# Altium PCB DIOT_Backplane.pcbdoc (part 2 of 11)
Units mm, origin at the board's own origin, x right, y up, seen from the top; angles counter-clockwise.
Board outline 304.8 x 128.5 mm, 14 copper layers (Top Layer, L2, L3GND, L4, L5GND, L6, L7GND, L8, L9GND, L10, L11GND, L12, L13GND, Bottom Layer), stack 4.06 mm thick; 141 components, 1224 nets, 5318 pads, 471 vias.
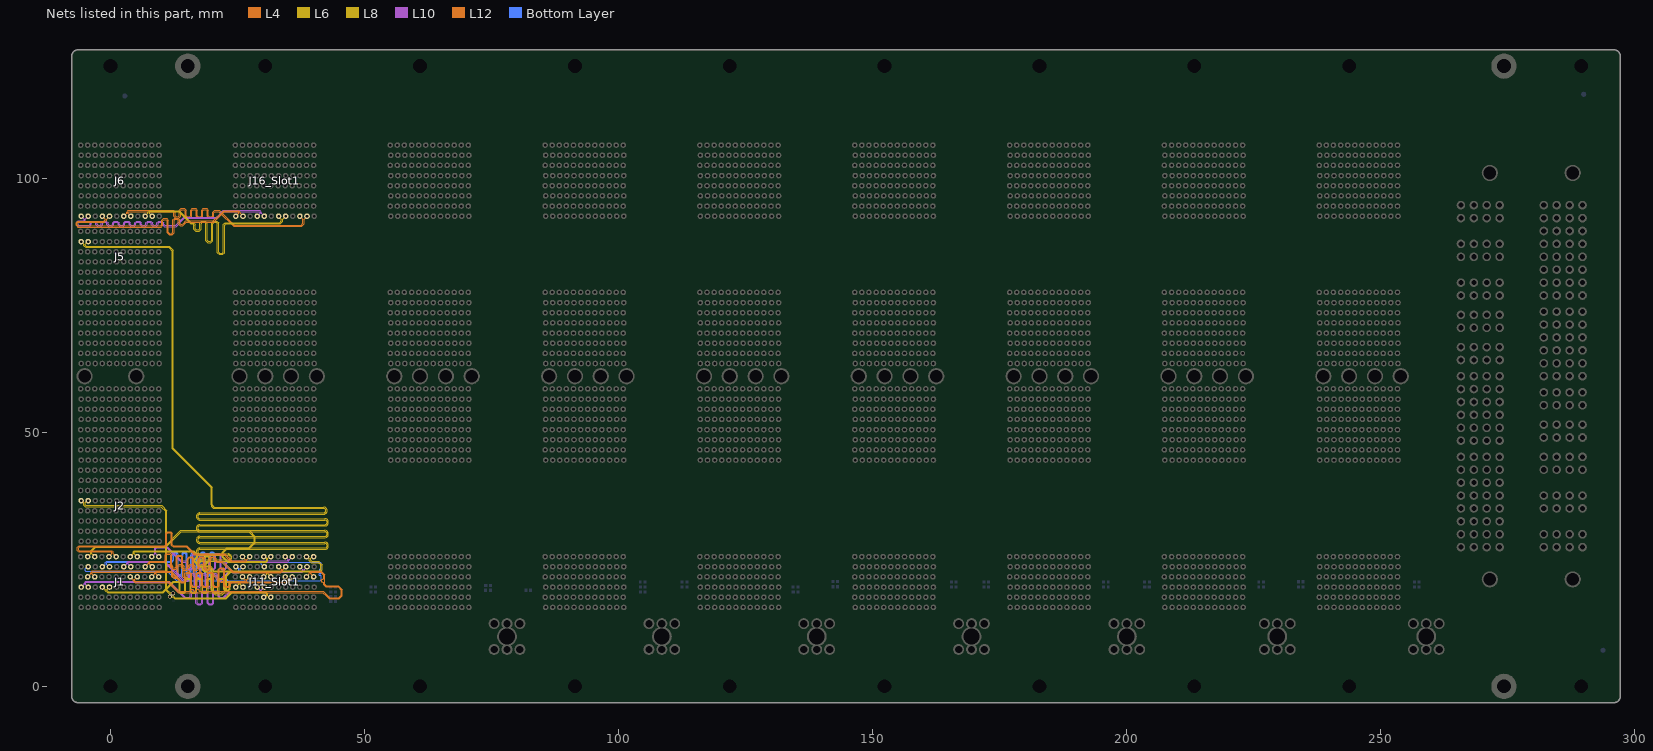
[diagram p14: the nets of this part, all layers, seen from the top]

## Classes and differential pairs (continued)
differential pair 1_DIFF_6: +1_DIFF_6_P -1_DIFF_6_N
differential pair 1_DIFF_5: +1_DIFF_5_P -1_DIFF_5_N
differential pair 1_DIFF_4: +1_DIFF_4_P -1_DIFF_4_N
differential pair 1_DIFF_3: +1_DIFF_3_P -1_DIFF_3_N
differential pair 1_DIFF_2: +1_DIFF_2_P -1_DIFF_2_N
differential pair 1_DIFF_1: +1_DIFF_1_P -1_DIFF_1_N
differential pair 1_DIFF_0: +1_DIFF_0_P -1_DIFF_0_N
differential pair 1_CLK: +1_CLK_P -1_CLK_N

## Components (designator, comment, footprint, x,y, rotation, side; value= is the part's Value field where it differs from the comment)
B1 "Non Plated Hole" MTG270_500_NPTH_8FCVIAS_BOTSM 15.24,0 r90 bottom
B2 "Non Plated Hole" MTG270_500_NPTH_8FCVIAS_BOTSM 15.24,122.1 r90 bottom
B3 "Non Plated Hole" MTG270_500_NPTH_8FCVIAS_BOTSM 274.32,0 r90 bottom
B4 "Non Plated Hole" MTG270_500_NPTH_8FCVIAS_BOTSM 274.32,122.1 r90 bottom
B5 "Non Plated Hole" MTG270 213.36,122.1 r90 top
B6 "Non Plated Hole" MTG270 243.84,122.1 r90 top
B7 "Non Plated Hole" MTG270 289.56,122.1 r90 top
B8 "Non Plated Hole" MTG270 91.44,0 r90 top
B9 "Non Plated Hole" MTG270 91.44,122.1 r90 top
B10 "Non Plated Hole" MTG270 121.92,122.1 r90 top
B11 "Non Plated Hole" MTG270 152.4,122.1 r90 top
B12 "Non Plated Hole" MTG270 182.88,122.1 r90 top
B13 "Non Plated Hole" MTG270 60.96,122.1 r90 top
B14 "Non Plated Hole" MTG270 0,0 r90 top
B15 "Non Plated Hole" MTG270 30.48,0 r90 top
B16 "Non Plated Hole" MTG270 60.96,0 r90 top
B17 "Non Plated Hole" MTG270 0,122.1 r90 top
B18 "Non Plated Hole" MTG270 289.56,0 r90 top
B19 "Non Plated Hole" MTG270 121.92,0 r90 top
B20 "Non Plated Hole" MTG270 30.48,122.1 r90 top
B21 "Non Plated Hole" MTG270 152.4,0 r90 top
B22 "Non Plated Hole" MTG270 182.88,0 r90 top
B23 "Non Plated Hole" MTG270 213.36,0 r90 top
B24 "Non Plated Hole" MTG270 243.84,0 r90 top
BUSH1 "M3" WURTH_7461057 229.703,9.8 r180 bottom
BUSH2 "M3" WURTH_7461057 169.51,9.8 r180 bottom
BUSH3 "M3" WURTH_7461057 259.024,9.8 r180 bottom
BUSH4 "M3" WURTH_7461057 200.087,9.8 r180 bottom
BUSH5 "M3" WURTH_7461057 78.07,9.8 r180 bottom
BUSH6 "M3" WURTH_7461057 108.55,9.8 r180 bottom
BUSH7 "M3" WURTH_7461057 139.03,9.8 r180 bottom
C1 "10nF" CAPC1005X55N 43.835,16.673 r180 bottom
C2 "10nF" CAPC1005X55N 43.835,17.639 r180 bottom
C3 "10nF" CAPC1005X55N 43.835,18.604 r180 bottom
C4 "10nF" CAPC1005X55N 142.672,19.62 r180 bottom
C5 "10nF" CAPC1005X55N 142.666,20.623 r180 bottom
C6 "10nF" CAPC1005X55N 172.422,20.547 r180 bottom
C7 "10nF" CAPC1005X55N 51.734,18.578 r0 bottom
C8 "10nF" CAPC1005X55N 74.34,19.874 r180 bottom
C9 "10nF" CAPC1005X55N 82.24,18.909 r0 bottom
C10 "10nF" CAPC1005X55N 204.052,19.527 r180 bottom
C11 "10nF" CAPC1005X55N 104.77,18.553 r180 bottom
C12 "10nF" CAPC1005X55N 134.869,18.578 r180 bottom
FTG1 "Use only in PCB" FIDUCIAL_TOP_C100-200 290.02,116.55 r90 bottom
FTG2 "Use only in PCB" FIDUCIAL_TOP_C100-200 293.82,7.1 r90 bottom
FTG3 "Use only in PCB" FIDUCIAL_TOP_C100-200 2.839,116.219 r90 bottom
GUIDE1 "CPCI-S Guide" EDA-04126-V1-0 35.56,61.05 r180 bottom
GUIDE2 "CPCI-S Guide" EDA-04126-V1-0 66.04,61.05 r180 bottom
GUIDE3 "CPCI-S Guide" EDA-04126-V1-0 96.52,61.05 r180 bottom
GUIDE4 "CPCI-S Guide" EDA-04126-V1-0 127,61.05 r180 bottom
GUIDE5 "CPCI-S Guide" EDA-04126-V1-0 157.48,61.05 r180 bottom
GUIDE6 "CPCI-S Guide" EDA-04126-V1-0 187.96,61.05 r180 bottom
GUIDE7 "CPCI-S Guide" EDA-04126-V1-0 218.44,61.05 r180 bottom
GUIDE8 "CPCI-S Guide" EDA-04126-V1-0 248.92,61.05 r180 bottom
GUIDE9 "CPCI-S Guide" EDA-04126-V1-0 0,61.05 r0 top
GUIDE10 "CPCI-S Guide" EDA-04126-V1-0 30.48,61.05 r0 top
GUIDE11 "CPCI-S Guide" EDA-04126-V1-0 60.96,61.05 r0 top
GUIDE12 "CPCI-S Guide" EDA-04126-V1-0 91.44,61.05 r0 top
GUIDE13 "CPCI-S Guide" EDA-04126-V1-0 121.94,61.05 r0 top
GUIDE14 "CPCI-S Guide" EDA-04126-V1-0 152.4,61.05 r0 top
GUIDE15 "CPCI-S Guide" EDA-04126-V1-0 182.88,61.05 r0 top
GUIDE16 "CPCI-S Guide" EDA-04126-V1-0 213.36,61.05 r0 top
GUIDE17 "CPCI-S Guide" EDA-04126-V1-0 243.84,61.05 r0 top
J1 "AirMax VS" AMPHENOL_10052829-101LF 1.87,20.55 r270 top
J2 "AirMax VS" AMPHENOL_10052842-101LF#1 1.87,35.55 r270 top
J3 "AirMax VS" AMPHENOL_10052842-101LF#1 1.87,51.55 r270 top
J4 "AirMax VS" AMPHENOL_10052842-101LF#1 1.87,70.55 r270 top
J5 "AirMax VS" AMPHENOL_10052829-101LF 1.87,84.55 r270 top
J6 "AirMax VS" AMPHENOL_10052842-101LF#1 1.87,99.55 r270 top
J7 "PwrBlade" AMPHENOL_51940-650 282.16,94.72 r180 bottom locked
J8 "PwrBlade" AMPHENOL_51940-650 265.85,27.4 r180 top locked
J11_Slot1 "AirMax VS" AMPHENOL_10052829-101LF 32.35,20.55 r270 top (schematic designator J11)
J11_Slot2 "AirMax VS" AMPHENOL_10052829-101LF 62.83,20.55 r270 top (schematic designator J11)
J11_Slot3 "AirMax VS" AMPHENOL_10052829-101LF 93.31,20.55 r270 top (schematic designator J11)
J11_Slot4 "AirMax VS" AMPHENOL_10052829-101LF 123.79,20.55 r270 top (schematic designator J11)
J11_Slot5 "AirMax VS" AMPHENOL_10052829-101LF 154.27,20.55 r270 top (schematic designator J11)
J11_Slot6 "AirMax VS" AMPHENOL_10052829-101LF 184.75,20.55 r270 top (schematic designator J11)
J11_Slot7 "AirMax VS" AMPHENOL_10052829-101LF 215.23,20.55 r270 top (schematic designator J11)
J11_Slot8 "AirMax VS" AMPHENOL_10052829-101LF 245.71,20.55 r270 top (schematic designator J11)
J13_Slot1 "AirMax VS" AMPHENOL_10052842-101LF#1 32.35,51.55 r270 top locked (schematic designator J13)
J13_Slot2 "AirMax VS" AMPHENOL_10052842-101LF#1 62.83,51.55 r270 top locked (schematic designator J13)
J13_Slot3 "AirMax VS" AMPHENOL_10052842-101LF#1 93.31,51.55 r270 top locked (schematic designator J13)
J13_Slot4 "AirMax VS" AMPHENOL_10052842-101LF#1 123.79,51.55 r270 top locked (schematic designator J13)
J13_Slot5 "AirMax VS" AMPHENOL_10052842-101LF#1 154.27,51.55 r270 top locked (schematic designator J13)
J13_Slot6 "AirMax VS" AMPHENOL_10052842-101LF#1 184.75,51.55 r270 top locked (schematic designator J13)
J13_Slot7 "AirMax VS" AMPHENOL_10052842-101LF#1 215.23,51.55 r270 top locked (schematic designator J13)
J13_Slot8 "AirMax VS" AMPHENOL_10052842-101LF#1 245.71,51.55 r270 top locked (schematic designator J13)
J14_Slot1 "AirMax VS" AMPHENOL_10052842-101LF#1 32.35,70.55 r270 top (schematic designator J14)
J14_Slot2 "AirMax VS" AMPHENOL_10052842-101LF#1 62.83,70.55 r270 top (schematic designator J14)
J14_Slot3 "AirMax VS" AMPHENOL_10052842-101LF#1 93.31,70.55 r270 top (schematic designator J14)
J14_Slot4 "AirMax VS" AMPHENOL_10052842-101LF#1 123.79,70.55 r270 top (schematic designator J14)
J14_Slot5 "AirMax VS" AMPHENOL_10052842-101LF#1 154.27,70.55 r270 top (schematic designator J14)
J14_Slot6 "AirMax VS" AMPHENOL_10052842-101LF#1 184.75,70.55 r270 top (schematic designator J14)
J14_Slot7 "AirMax VS" AMPHENOL_10052842-101LF#2 215.23,70.55 r270 top (schematic designator J14)
J14_Slot8 "AirMax VS" AMPHENOL_10052842-101LF#1 245.71,70.55 r270 top (schematic designator J14)
J16_Slot1 "AirMax VS" AMPHENOL_10052842-101LF#1 32.35,99.55 r270 top (schematic designator J16)
J16_Slot2 "AirMax VS" AMPHENOL_10052842-101LF#1 62.83,99.55 r270 top (schematic designator J16)
J16_Slot3 "AirMax VS" AMPHENOL_10052842-101LF#1 93.31,99.55 r270 top (schematic designator J16)
J16_Slot4 "AirMax VS" AMPHENOL_10052842-101LF#1 123.79,99.55 r270 top (schematic designator J16)
J16_Slot5 "AirMax VS" AMPHENOL_10052842-101LF#1 154.27,99.55 r270 top (schematic designator J16)
J16_Slot6 "AirMax VS" AMPHENOL_10052842-101LF#1 184.75,99.55 r270 top (schematic designator J16)
J16_Slot7 "AirMax VS" AMPHENOL_10052842-101LF#1 215.23,99.55 r270 top (schematic designator J16)
J16_Slot8 "AirMax VS" AMPHENOL_10052842-101LF#1 245.71,99.55 r270 top (schematic designator J16)
J23_Slot1 "AirMax VS" AMPHENOL_10114760-101LF#1 32.35,51.55 r90 bottom locked (schematic designator J23)
J23_Slot2 "AirMax VS" AMPHENOL_10114760-101LF#1 62.83,51.55 r90 bottom locked (schematic designator J23)
J23_Slot3 "AirMax VS" AMPHENOL_10114760-101LF#1 93.31,51.55 r90 bottom locked (schematic designator J23)
J23_Slot4 "AirMax VS" AMPHENOL_10114760-101LF#1 123.79,51.55 r90 bottom locked (schematic designator J23)
J23_Slot5 "AirMax VS" AMPHENOL_10114760-101LF#1 154.27,51.55 r90 bottom locked (schematic designator J23)
J23_Slot6 "AirMax VS" AMPHENOL_10114760-101LF#1 184.75,51.55 r90 bottom locked (schematic designator J23)
J23_Slot7 "AirMax VS" AMPHENOL_10114760-101LF#1 215.23,51.55 r90 bottom locked (schematic designator J23)
J23_Slot8 "AirMax VS" AMPHENOL_10114760-101LF#2 245.71,51.55 r90 bottom locked (schematic designator J23)
J24_Slot1 "AirMax VS" AMPHENOL_10114760-101LF#1 32.35,70.55 r90 bottom (schematic designator J24)
J24_Slot2 "AirMax VS" AMPHENOL_10114760-101LF#1 62.83,70.55 r90 bottom (schematic designator J24)
J24_Slot3 "AirMax VS" AMPHENOL_10114760-101LF#1 93.31,70.55 r90 bottom (schematic designator J24)
J24_Slot4 "AirMax VS" AMPHENOL_10114760-101LF#1 123.79,70.55 r90 bottom (schematic designator J24)
J24_Slot5 "AirMax VS" AMPHENOL_10114760-101LF#1 154.27,70.55 r90 bottom (schematic designator J24)
J24_Slot6 "AirMax VS" AMPHENOL_10114760-101LF#1 184.75,70.55 r90 bottom locked (schematic designator J24)
J24_Slot7 "AirMax VS" AMPHENOL_10114760-101LF#1 215.23,70.55 r90 bottom (schematic designator J24)
J24_Slot8 "AirMax VS" AMPHENOL_10114760-101LF#2 245.71,70.55 r90 bottom locked (schematic designator J24)
NT1 "Net Tie" "Net Tie" 12.58,16.8 r180 bottom net-tie
NT2 "Net Tie" "Net Tie" 12.618,15.584 r180 bottom net-tie
R1 "1k" RESC1005X40N 43.81,19.572 r180 bottom
R2 "1k" RESC1005X40N 51.734,19.569 r0 bottom
R3 "1k" RESC1005X40N 74.34,18.909 r180 bottom
R4 "1k" RESC1005X40N 104.77,20.534 r180 bottom
R5 "1k" RESC1005X40N 104.782,19.544 r180 bottom
R6 "1k" RESC1005X40N 113.012,20.534 r0 bottom
R7 "1k" RESC1005X40N 113.012,19.544 r0 bottom
R8 "1k" RESC1005X40N 134.869,19.544 r180 bottom
R9 "1k" RESC1005X40N 165.996,20.547 r0 bottom
R10 "1k" RESC1005X40N 165.996,19.544 r0 bottom
R11 "1k" RESC1005X40N 172.423,19.527 r180 bottom
R12 "1k" RESC1005X40N 195.956,20.509 r0 bottom
R13 "1k" RESC1005X40N 195.955,19.535 r0 bottom
R14 "1k" RESC1005X40N 204.058,20.534 r180 bottom
R15 "1k" RESC1005X40N 226.524,20.534 r0 bottom
R16 "1k" RESC1005X40N 226.524,19.547 r0 bottom
R17 "1k" RESC1005X40N 234.31,19.556 r180 bottom
R18 "1k" RESC1005X40N 234.31,20.585 r180 bottom
R19 "1k" RESC1005X40N 257.144,20.56 r0 bottom
R20 "1k" RESC1005X40N 257.143,19.573 r0 bottom

## Footprints (in the part's own frame and the unit in brackets; to place one, negate y for a bottom-side part, rotate by r counter-clockwise, add the part's x,y. Pads: shape width x height; smd on the part's side, far side on the other; paste and mask are expansions set on the pad)
AMPHENOL_51940-650 [mm] "Vertical PowerBlade Power Connector 3ACP + 2P + 24S + 4DCP Contacts"
  round 1.7 hole 1: A1(-7.62,-33.66) A2(-7.62,-31.12) A3(-7.62,-28.58) A4(-7.62,-26.04) A5(-7.62,-23.5) A6(-7.62,-20.96) B1(-5.08,-33.66) B2(-5.08,-31.12) B3(-5.08,-28.58) B4(-5.08,-26.04) B5(-5.08,-23.5) B6(-5.08,-20.96) C1(-2.54,-33.66) C2(-2.54,-31.12) C3(-2.54,-28.58) C4(-2.54,-26.04) C5(-2.54,-23.5) C6(-2.54,-20.96) D1(0,-33.66) D2(0,-31.12) D3(0,-28.58) D4(0,-26.04) D5(0,-23.5) D6(0,-20.96) P1(-7.62,-67.32) P1(-7.62,-64.78) P1(-5.08,-67.32) P1(-5.08,-64.78) P1(-2.54,-67.32) P1(-2.54,-64.78) P1(0,-67.32) P1(0,-64.78) P2(-7.62,-59.7) P2(-7.62,-57.16) P2(-5.08,-59.7) P2(-5.08,-57.16) P2(-2.54,-59.7) P2(-2.54,-57.16) P2(0,-59.7) P2(0,-57.16) P3(-7.62,-52.08) P3(-7.62,-49.54) P3(-5.08,-52.08) P3(-5.08,-49.54) P3(-2.54,-52.08) P3(-2.54,-49.54) P3(0,-52.08) P3(0,-49.54) P4(-7.62,-45.73) P4(-7.62,-43.19) P4(-5.08,-45.73) P4(-5.08,-43.19) P4(-2.54,-45.73) P4(-2.54,-43.19) P4(0,-45.73) P4(0,-43.19) P5(-7.62,-39.38) P5(-7.62,-36.84) P5(-5.08,-39.38) P5(-5.08,-36.84) P5(-2.54,-39.38) P5(-2.54,-36.84) P5(0,-39.38) P5(0,-36.84) P6(-7.62,-17.78) P6(-7.62,-15.24) P6(-5.08,-17.78) P6(-5.08,-15.24) P6(-2.54,-17.78) P6(-2.54,-15.24) P6(0,-17.78) P6(0,-15.24) P7(-7.62,-12.7) P7(-7.62,-10.16) P7(-5.08,-12.7) P7(-5.08,-10.16) P7(-2.54,-12.7) P7(-2.54,-10.16) P7(0,-12.7) P7(0,-10.16) P8(-7.62,-7.62) P8(-7.62,-5.08) P8(-5.08,-7.62) P8(-5.08,-5.08) P8(-2.54,-7.62) P8(-2.54,-5.08) P8(0,-7.62) P8(0,-5.08) P9(-7.62,-2.54) P9(-7.62,0) P9(-5.08,-2.54) P9(-5.08,0) P9(-2.54,-2.54) P9(-2.54,0) P9(0,-2.54) P9(0,0)
  round 3.2 hole 2.5 unplated: MTG1(-5.69,6.345) MTG2(-5.69,-73.665)
  silkscreen extent -8.99,-77.48 2.95,10.15, body extent -8.99,-77.48 2.95,10.16, height 17.02
AMPHENOL_10052829-101LF [mm] "72 Contacts, 2mm Pitch, 6 Columns, 4 Pairs per Column, Vertical Receptacle"
  round 1.1 hole 0.5: A1(5,-7.65) A2(3,-7.75) A3(1,-7.65) A4(-1,-7.75) A5(-3,-7.65) A6(-5,-7.75) B1(5,-6.25) B2(3,-6.35) B3(1,-6.25) B4(-1,-6.35) B5(-3,-6.25) B6(-5,-6.35) C1(5,-4.85) C2(3,-4.95) C3(1,-4.85) C4(-1,-4.95) C5(-3,-4.85) C6(-5,-4.95) D1(5,-3.45) D2(3,-3.55) D3(1,-3.45) D4(-1,-3.55) D5(-3,-3.45) D6(-5,-3.55) E1(5,-2.05) E2(3,-2.15) E3(1,-2.05) E4(-1,-2.15) E5(-3,-2.05) E6(-5,-2.15) F1(5,-0.65) F2(3,-0.75) F3(1,-0.65) F4(-1,-0.75) F5(-3,-0.65) F6(-5,-0.75) G1(5,0.75) G2(3,0.65) G3(1,0.75) G4(-1,0.65) G5(-3,0.75) G6(-5,0.65) H1(5,2.15) H2(3,2.05) H3(1,2.15) H4(-1,2.05) H5(-3,2.15) H6(-5,2.05) I1(5,3.55) I2(3,3.45) I3(1,3.55) I4(-1,3.45) I5(-3,3.55) I6(-5,3.45) J1(5,4.95) J2(3,4.85) J3(1,4.95) J4(-1,4.85) J5(-3,4.95) J6(-5,4.85) K1(5,6.35) K2(3,6.25) K3(1,6.35) K4(-1,6.25) K5(-3,6.35) K6(-5,6.25) L1(5,7.75) L2(3,7.65) L3(1,7.75) L4(-1,7.65) L5(-3,7.75) L6(-5,7.65)
  silkscreen extent -5.95,-9.45 5.95,9.45, body extent -5.95,-9.45 5.95,9.45, height 10.7
AMPHENOL_10052842-101LF#1 [mm] "96 Contacts, 2mm Pitch, 8 Columns, 4 Pairs per Column, Vertical Receptacle"
  round 1.1 hole 0.5: A1(7,-7.65) A2(5,-7.75) A3(3,-7.65) A4(1,-7.75) A5(-1,-7.65) A6(-3,-7.75) A7(-5,-7.65) A8(-7,-7.75) B1(7,-6.25) B2(5,-6.35) B3(3,-6.25) B4(1,-6.35) B5(-1,-6.25) B6(-3,-6.35) B7(-5,-6.25) B8(-7,-6.35) C1(7,-4.85) C2(5,-4.95) C3(3,-4.85) C4(1,-4.95) C5(-1,-4.85) C6(-3,-4.95) C7(-5,-4.85) C8(-7,-4.95) D1(7,-3.45) D2(5,-3.55) D3(3,-3.45) D4(1,-3.55) D5(-1,-3.45) D6(-3,-3.55) D7(-5,-3.45) D8(-7,-3.55) E1(7,-2.05) E2(5,-2.15) E3(3,-2.05) E4(1,-2.15) E5(-1,-2.05) E6(-3,-2.15) E7(-5,-2.05) E8(-7,-2.15) F1(7,-0.65) F2(5,-0.75) F3(3,-0.65) F4(1,-0.75) F5(-1,-0.65) F6(-3,-0.75) F7(-5,-0.65) F8(-7,-0.75) G1(7,0.75) G2(5,0.65) G3(3,0.75) G4(1,0.65) G5(-1,0.75) G6(-3,0.65) G7(-5,0.75) G8(-7,0.65) H1(7,2.15) H2(5,2.05) H3(3,2.15) H4(1,2.05) H5(-1,2.15) H6(-3,2.05) H7(-5,2.15) H8(-7,2.05) I1(7,3.55) I2(5,3.45) I3(3,3.55) I4(1,3.45) I5(-1,3.55) I6(-3,3.45) I7(-5,3.55) I8(-7,3.45) J1(7,4.95) J2(5,4.85) J3(3,4.95) J4(1,4.85) J5(-1,4.95) J6(-3,4.85) J7(-5,4.95) J8(-7,4.85) K1(7,6.35) K2(5,6.25) K3(3,6.35) K4(1,6.25) K5(-1,6.35) K6(-3,6.25) K7(-5,6.35) K8(-7,6.25) L1(7,7.75) L2(5,7.65) L3(3,7.75) L4(1,7.65) L5(-1,7.75) L6(-3,7.65) L7(-5,7.75) L8(-7,7.65)
  silkscreen extent -7.95,-9.45 7.95,9.45, body extent -7.95,-9.45 7.95,9.45, height 10.7
AMPHENOL_10052842-101LF#2 [mm] "96 Contacts, 2mm Pitch, 8 Columns, 4 Pairs per Column, Vertical Receptacle"
  round 1.1 hole 0.5: A1(7,-7.65) A2(5,-7.75) A3(3,-7.65) A4(1,-7.75) A5(-1,-7.65) A6(-3,-7.75) A7(-5,-7.65) A8(-7,-7.75) B1(7,-6.25) B2(5,-6.35) B3(3,-6.25) B4(1,-6.35) B5(-1,-6.25) B6(-3,-6.35) B7(-5,-6.25) B8(-7,-6.35) C1(7,-4.85) C2(5,-4.95) C3(3,-4.85) C4(1,-4.95) C5(-1,-4.85) C6(-3,-4.95) C7(-5,-4.85) C8(-7,-4.95) D1(7,-3.45) D2(5,-3.55) D3(3,-3.45) D4(1,-3.55) D5(-1,-3.45) D6(-3,-3.55) D7(-5,-3.45) D8(-7,-3.55) E1(7,-2.05) E2(5,-2.15) E3(3,-2.05) E4(1,-2.15) E5(-1,-2.05) E6(-3,-2.15) E7(-5,-2.05) E8(-7,-2.15) F1(7,-0.65) F2(5,-0.75) F3(3,-0.65) F4(1,-0.75) F5(-1,-0.65) F6(-3,-0.75) F7(-5,-0.65) F8(-7,-0.75) G1(7,0.75) G2(5,0.65) G3(3,0.75) G4(1,0.65) G5(-1,0.75) G6(-3,0.65) G7(-5,0.75) G8(-7,0.65) H1(7,2.15) H2(5,2.05) H3(3,2.15) H4(1,2.05) H5(-1,2.15) H6(-3,2.05) H7(-5,2.15) H8(-7,2.05) I1(7,3.55) I2(5,3.45) I3(3,3.55) I4(1,3.45) I5(-1,3.55) I6(-3,3.45) I7(-5,3.55) I8(-7,3.45) J1(7,4.95) J2(5,4.85) J3(3,4.95) J4(1,4.85) J5(-1,4.95) J6(-3,4.85) J7(-5,4.95) J8(-7,4.85) K1(7,6.35) K2(5,6.25) K3(3,6.35) K4(1,6.25) K5(-1,6.35) K6(-3,6.25) K7(-5,6.35) K8(-7,6.25) L1(7,7.75) L3(3,7.75) L4(1,7.65) L5(-1,7.75) L6(-3,7.65) L7(-5,7.75) L8(-7,7.65)
  round 1 hole 0.5: L2(5,7.65)
  silkscreen extent -7.95,-9.45 7.95,9.45, body extent -7.95,-9.45 7.95,9.45, height 10.7
AMPHENOL_10114760-101LF#1 [mm] "96 Contacts, 2mm Pitch, 8 Columns, 4 Pairs per Column, 2 Walls Vertical Header"
  round 0.3 smd: A1(-7,-7.65) A2(-5,-7.75) A3(-3,-7.65) A4(-1,-7.75) A5(1,-7.65) A6(3,-7.75) A7(5,-7.65) A8(7,-7.75) B1(-7,-6.25) B2(-5,-6.35) B3(-3,-6.25) B4(-1,-6.35) B5(1,-6.25) B6(3,-6.35) B7(5,-6.25) B8(7,-6.35) C1(-7,-4.85) C2(-5,-4.95) C3(-3,-4.85) C4(-1,-4.95) C5(1,-4.85) C6(3,-4.95) C7(5,-4.85) C8(7,-4.95) D1(-7,-3.45) D2(-5,-3.55) D3(-3,-3.45) D4(-1,-3.55) D5(1,-3.45) D6(3,-3.55) D7(5,-3.45) D8(7,-3.55) E1(-7,-2.05) E2(-5,-2.15) E3(-3,-2.05) E4(-1,-2.15) E5(1,-2.05) E6(3,-2.15) E7(5,-2.05) E8(7,-2.15) F1(-7,-0.65) F2(-5,-0.75) F3(-3,-0.65) F4(-1,-0.75) F5(1,-0.65) F6(3,-0.75) F7(5,-0.65) F8(7,-0.75) G1(-7,0.75) G2(-5,0.65) G3(-3,0.75) G4(-1,0.65) G5(1,0.75) G6(3,0.65) G7(5,0.75) G8(7,0.65) H1(-7,2.15) H2(-5,2.05) H3(-3,2.15) H4(-1,2.05) H5(1,2.15) H6(3,2.05) H7(5,2.15) H8(7,2.05) I1(-7,3.55) I2(-5,3.45) I3(-3,3.55) I4(-1,3.45) I5(1,3.55) I6(3,3.45) I7(5,3.55) I8(7,3.45) J1(-7,4.95) J2(-5,4.85) J3(-3,4.95) J4(-1,4.85) J5(1,4.95) J6(3,4.85) J7(5,4.95) J8(7,4.85) K1(-7,6.35) K2(-5,6.25) K3(-3,6.35) K4(-1,6.25) K5(1,6.35) K6(3,6.25) K7(5,6.35) K8(7,6.25) L1(-7,7.75) L2(-5,7.65) L3(-3,7.75) L4(-1,7.65) L5(1,7.75) L6(3,7.65) L7(5,7.75) L8(7,7.65)
  silkscreen extent -7.95,-10.07 7.95,10.07, body extent -7.95,-10.07 7.95,10.08, height 12.45
AMPHENOL_10114760-101LF#2 [mm] "96 Contacts, 2mm Pitch, 8 Columns, 4 Pairs per Column, 2 Walls Vertical Header"
  round 1.1 hole 0.5: A1(-7,-7.65) A2(-5,-7.75) A3(-3,-7.65) A4(-1,-7.75) A5(1,-7.65) A6(3,-7.75) A7(5,-7.65) A8(7,-7.75) B1(-7,-6.25) B2(-5,-6.35) B3(-3,-6.25) B4(-1,-6.35) B5(1,-6.25) B6(3,-6.35) B7(5,-6.25) B8(7,-6.35) C1(-7,-4.85) C2(-5,-4.95) C3(-3,-4.85) C4(-1,-4.95) C5(1,-4.85) C6(3,-4.95) C7(5,-4.85) C8(7,-4.95) D1(-7,-3.45) D2(-5,-3.55) D3(-3,-3.45) D4(-1,-3.55) D5(1,-3.45) D6(3,-3.55) D7(5,-3.45) D8(7,-3.55) E1(-7,-2.05) E2(-5,-2.15) E3(-3,-2.05) E4(-1,-2.15) E5(1,-2.05) E6(3,-2.15) E7(5,-2.05) E8(7,-2.15) F1(-7,-0.65) F2(-5,-0.75) F3(-3,-0.65) F4(-1,-0.75) F5(1,-0.65) F6(3,-0.75) F7(5,-0.65) F8(7,-0.75) G1(-7,0.75) G2(-5,0.65) G3(-3,0.75) G4(-1,0.65) G5(1,0.75) G6(3,0.65) G7(5,0.75) G8(7,0.65) H1(-7,2.15) H2(-5,2.05) H3(-3,2.15) H4(-1,2.05) H5(1,2.15) H6(3,2.05) H7(5,2.15) H8(7,2.05) I1(-7,3.55) I2(-5,3.45) I3(-3,3.55) I4(-1,3.45) I5(1,3.55) I6(3,3.45) I7(5,3.55) I8(7,3.45) J1(-7,4.95) J2(-5,4.85) J3(-3,4.95) J4(-1,4.85) J5(1,4.95) J6(3,4.85) J7(5,4.95) J8(7,4.85) K1(-7,6.35) K2(-5,6.25) K3(-3,6.35) K4(-1,6.25) K5(1,6.35) K6(3,6.25) K7(5,6.35) K8(7,6.25) L1(-7,7.75) L2(-5,7.65) L3(-3,7.75) L4(-1,7.65) L5(1,7.75) L6(3,7.65) L7(5,7.75) L8(7,7.65)
  silkscreen extent -7.95,-10.07 7.95,10.07, body extent -7.95,-10.07 7.95,10.08, height 12.45
CAPC1005X55N [mm] "Capacitor, Non-Polarized, Chip; 1.00mm L X 0.50mm W X 0.70mm H, IPC Medium Density"
  rect 0.62x0.62 smd: 1(-0.45,0) 2(0.45,0)
  body extent -0.52,-0.27 0.53,0.28, height 0.55
EDA-04126-V1-0 [mm] "PICMG CompactPCI Serial Backplane Guide Element"
  round 3.2 hole 2.5: 1(-5.08,0) 2(5.08,0)
  silkscreen extent -7.46,-1 12.54,1, body extent -7.46,-1 12.54,1, height 25
FIDUCIAL_TOP_C100-200 [mm] "Round Fiducial Target, Top Layer, 1.0mm, Top Solder 2.0mm, Keepout =2.0mm"
  round 1 smd paste-0.51 mask+0.5: FTG2(0,0)
  Top Layer keep-out circle w0.1: c0,0 r1
MTG270 [mm] "Non Plated Through Hole: Hole Dia.=2.7mm"
  round 0.5 hole 2.7 unplated mask+1.1: 1(0,0)
MTG270_500_NPTH_8FCVIAS_BOTSM [mm] "Unplated Through Hole: Hole Dia.=2.7mm Pad Dia.=5.0mm with 8 vias filled and capped and soldermask on Bottom."
  round 5 hole 2.7 mask-2539.97: 1(0,0)
"Net Tie" [mil] "SMD Net Tie"
  rect 5x5 smd paste-2.5 mask-2.5: 1(0,0) 2(10,0)
  Top Layer lines w5: 10,0 0,0
RESC1005X40N [mm] "Chip Resistor, EIA 0402, Metric 1005, Body 1.0x0.5mm, IPC Medium Density"
  rect 0.58x0.62 smd: 1(-0.47,0) 2(0.47,0)
  body extent -0.52,-0.27 0.53,0.28, height 0.4
WURTH_7461057 [mm] "7x7x6mm REDCUBE Press-Fit with Internsl Threaded Hole M3,Two Rows Pin-Plate WP-BUTR"
  round 2.15 hole 1.45: 1(-2.54,-2.54) 1(-2.54,2.54) 1(0,-2.54) 1(0,2.54) 1(2.54,-2.54) 1(2.54,2.54)
  round 3.9 hole 3.1: 1(0,0)
  silkscreen extent -3.5,-3.5 3.5,3.5, body extent -3.5,-3.5 3.5,3.5, height 6.1

## Part data
B1 B2 B3 B4: library part NON-PLATED_HOLE2.7_PAD5.0_8FCVIAS_BOTSM, "Single Terminal Socket", Author="CERN DEM WB", Component Type="Standard (No BOM)", ComponentHeight=0mm, CreateDate=18/04/2024, Family="Non Plated Hole", HelpURL=Undefined, LatestRevisionDate=18/04/2024, Mounted=No, PackageDescription="Unplated Through Hole: Hole Dia.=2.7mm Pad Dia.=5.0mm with 8 vias filled and capped and soldermask on Bottom.", Part Description="Plated Through Hole: Hole Dia.=2.7mm Pad Dia.=5.0mmUnplated Through Hole: Hole Dia.=2.7mm Pad Dia.=5.0mm with 8 vias filled and capped and soldermask on Bottom.", Part Number=NON-PLATED_HOLE2.7_PAD5.0_8FCVIAS_BOTSM, Pin Count=1, Sense=No, SMD=No, Socket=No, Status=None
B5 B6 B7 B8 B9 B10 B11 B12 B13 B14 B15 B16 B17 B18 B19 B20 B21 B22 B23 B24: library part NON-PLATED_HOLE2.7, "Single Terminal Socket", Author="CERN DEM BC", Component Type="Standard (No BOM)", ComponentHeight=0mm, CreateDate=11.11.2015, Family="Non Plated Hole", HelpURL=Undefined, LatestRevisionDate=11.11.2015, Mounted=No, PackageDescription="Non Plated Through Hole: Hole Dia.=2.7mm", Part Description="Non Plated Through Hole: Hole Dia.=2.7mm", Part Number=NON-PLATED_HOLE2.7, Pin Count=1, Sense=No, SMD=No, Socket=No, Status=None
BUSH1 BUSH2 BUSH3 BUSH4 BUSH5 BUSH6 BUSH7: library part WURTH_7461057, "Bush", Manufacturer=WURTH, Manufacturer Part Number=7461057, Author="CERN DEM JLC", Component Type=Standard, ComponentHeight=6mm, CreateDate=13.08.2018, HelpURL=\\cern.ch\dfs\Applications\Altium\Datasheets\WURTH_7461057.pdf, LatestRevisionDate=13.08.2018, Mounted=Yes, PackageDescription="7x7x6mm REDCUBE Press-Fit with Internsl Threaded Hole M3,Two Rows Pin-Plate WP-BUTR", Part Description="REDCUBE Bush with Threaded Hole M3 and Two Rows Press-Fit Pin-Plate, WP-BUTR Series", Part Number=WURTH_7461057, Pin Count=6, PressFit=Yes, Sense=No, SMD=No, Socket=No, Status=None
C1 C2 C3 C4 C5 C6 C7 C8 C9 C10 C11 C12: library part CC0402_10NF_16V_10%_X7R, "Non-polarised capacitor", Case=0402, Manufacturer=GENERIC, Manufacturer1 ComponentHeight=0.55mm, Manufacturer1 Example=PHYCOMP, Manufacturer1 Part Number=223878715636, Tolerance=±10%, Voltage=16V, Author="CERN DEM JLC", Component Type=Standard, CreateDate=03/12/2007, HelpURL=\\cern.ch\dfs\Applications\Altium\Datasheets\CC0402_X7R_PHYCOMP.pdf, LatestRevisionDate=03/12/2007, Manufacturer Part Number=CC0402_10NF_16V_10%_X7R, Mounted=Yes, Part Description="SMD Multilayer Chip Ceramic Capacitor", Part Number=CC0402_10NF_16V_10%_X7R, Pin Count=2, Sense=No, SMD=Yes, Socket=No, Status="Not Recommended", TC=X7R
FTG1 FTG2 FTG3: library part FIDUCIAL_TARGET_c100-200, "Fiducial Target", Part Number=FIDUCIAL_TARGET_C100-200, Author="CERN DEM JLC", Component Type="Standard (No BOM)", ComponentHeight=0mm, CreateDate=09/02/2010, Family=Fiducial, HelpURL=Undefined, LatestRevisionDate=04/04/2012, Mounted=No, PackageDescription="Round Fiducial Target, Top Layer, 1.0mm, Top Solder 2.0mm, Keepout =2.0mm", Part Description="Round Fiducial Target, Top Layer, 1.0mm, Top Solder 2.0mm, Keepout =2.0mm", Pin Count=1, Sense=No, SMD=Yes, Socket=No, Status=None
GUIDE1 GUIDE2 GUIDE3 GUIDE4 GUIDE5 GUIDE6 GUIDE7 GUIDE8 GUIDE9 GUIDE10 GUIDE11 GUIDE12 GUIDE13 GUIDE14 GUIDE15 GUIDE16 GUIDE17: library part EDA-04126-V1-0, "PICMG CompactPCI Serial Backplane Guide Element", Manufacturer=CERN, Author="CERN DEM BC", Component Type=Standard, ComponentHeight=32mm, ComponentLink1Description="EDMS Link", ComponentLink1URL=https://edms.cern.ch/nav/EDA-04126-V1-0, CreateDate=24.09.2019, HelpURL=\\cern.ch\dfs\Applications\Altium\Datasheets\EDA-04126-V1-0.pdf, LatestRevisionDate=24.09.2019, Manufacturer Part Number=EDA-04126-V1-0, Mounted=Yes, PackageDescription="PICMG CompactPCI Serial Backplane Guide Element", Part Description="PICMG CompactPCI Serial Backplane Guide Element", Part Number=EDA-04126-V1-0, Pin Count=2, PressFit=No, Sense=No, SMD=No, Socket=No, Status=None
J1 J5 J11_Slot1 J11_Slot2 J11_Slot3 J11_Slot4 J11_Slot5 J11_Slot6 J11_Slot7 J11_Slot8: library part AMPHENOL_10052829-101LF, "72 Contacts Receptacle, 6 Columns, 4 Pairs per Column", Manufacturer=AMPHENOL, Manufacturer Part Number=10052829-101LF, Author="CERN DEM MR", Component Type=Standard, ComponentHeight=10.85mm, ComponentLink1Description=Application, ComponentLink1URL=\\cern.ch\dfs\Applications\Altium\Datasheets\AMPHENOL_10052829-101LF_Application.pdf, CreateDate=30.04.2019, Family="AirMax VS", HelpURL=\\cern.ch\dfs\Applications\Altium\Datasheets\AMPHENOL_10052829-101LF.pdf, LatestRevisionDate=30.04.2019, Mounted=Yes, Part Description="72 Contacts, 2mm Pitch, 6 Columns, 4 Pairs per Column, Vertical Receptacle", Part Number=AMPHENOL_10052829-101LF, Pin Count=72, PressFit=Yes, Sense=No, SMD=No, Socket=No, Status=None
J2 J3 J4 J6 J13_Slot1 J13_Slot2 J13_Slot3 J13_Slot4 J13_Slot5 J13_Slot6 J13_Slot7 J13_Slot8 J14_Slot1 J14_Slot2 J14_Slot3 J14_Slot4 J14_Slot5 J14_Slot6 J14_Slot7 J14_Slot8 J16_Slot1 J16_Slot2 J16_Slot3 J16_Slot4 J16_Slot5 J16_Slot6 J16_Slot7 J16_Slot8: library part AMPHENOL_10052842-101LF, "96 Contacts Receptacle, 8 Columns, 4 Pairs per Column", Manufacturer=AMPHENOL, Manufacturer Part Number=10052842-101LF, Author="CERN DEM MR", Component Type=Standard, ComponentHeight=10.85mm, ComponentLink1Description=Application, ComponentLink1URL=\\cern.ch\dfs\Applications\Altium\Datasheets\AMPHENOL_10052842-101LF_Application.pdf, CreateDate=30.04.2019, Family="AirMax VS", HelpURL=\\cern.ch\dfs\Applications\Altium\Datasheets\AMPHENOL_10052842-101LF.pdf, LatestRevisionDate=30.04.2019, Mounted=Yes, Part Description="96 Contacts, 2mm Pitch, 8 Columns, 4 Pairs per Column, Vertical Receptacle", Part Number=AMPHENOL_10052842-101LF, Pin Count=96, PressFit=Yes, Sense=No, SMD=No, Socket=No, Status=None
J7 J8: library part AMPHENOL_51940-650, "Thru-Hole, Lead 3.43mm, PowerBlade Vertical Power Connector 3ACP 2P 24S 4DCP Contacts", Manufacturer=AMPHENOL, Manufacturer Part Number=51940-650, Author="CERN DEM HF", Component Type=Standard, ComponentHeight=12.7mm, Family=PwrBlade, HelpURL=\\cern.ch\dfs\Applications\Altium\Datasheets\AMPHENOL_51940-650.pdf, Mounted=Yes, Part Description="Vertical PowerBlade Power Connector 3ACP + 2P + 24S + 4DCP PressFit Contacts", Part Number=AMPHENOL_51940-650, Pin Count=28, PressFit=Yes, Sense=No, SMD=No, Socket=No, Status=None
  J7: CreateDate=13.12.2022, LatestRevisionDate=13.12.2022
  J8: CreateDate=13/12/2022, LatestRevisionDate=13/12/2022
J23_Slot1 J23_Slot2 J23_Slot3 J23_Slot4 J23_Slot5 J23_Slot6 J23_Slot7 J23_Slot8 J24_Slot1 J24_Slot2 J24_Slot3 J24_Slot4 J24_Slot5 J24_Slot6 J24_Slot7 J24_Slot8: library part AMPHENOL_10114760-101LF, "96 Contacts Header, 8 Columns, 4 Pairs per Column", Manufacturer=AMPHENOL, Manufacturer Part Number=10114760-101LF, Author="CERN DEM MR", Component Type=Standard, ComponentHeight=12.45mm, ComponentLink1Description=Application, ComponentLink1URL=\\cern.ch\dfs\Applications\Altium\Datasheets\AMPHENOL_10114760-101LF_Application.pdf, CreateDate=30.04.2019, Family="AirMax VS", HelpURL=\\cern.ch\dfs\Applications\Altium\Datasheets\AMPHENOL_10114760-101LF.pdf, LatestRevisionDate=30.04.2019, Mounted=Yes, Part Description="96 Contacts, 2mm Pitch, 8 Columns, 4 Pairs per Column, 2 Walls Vertical Header", Part Number=AMPHENOL_10114760-101LF, Pin Count=96, PressFit=Yes, Sense=No, SMD=No, Socket=No, Status=None
R1 R2 R3 R4 R5 R6 R7 R8 R9 R10 R11 R12 R13 R14 R15 R16 R17 R18 R19 R20: library part R0402_1K_1%_0.0625W_100PPM, "Resistor - 1%", Case=0402, Manufacturer=GENERIC, Manufacturer1 ComponentHeight=0.4mm, Manufacturer1 Example="YAGEO PHYCOMP", Manufacturer1 Part Number=232270671002L, Power=0.0625W, Tolerance=±1%, Author="CERN DEM JLC", Component Type=Standard, CreateDate=03/12/2007, HelpURL=\\cern.ch\dfs\Applications\Altium\Datasheets\R0402_Phycomp_RC0402.pdf, LatestRevisionDate=17/10/2012, Manufacturer Part Number=R0402_1K_1%_0.0625W_100PPM, Mounted=Yes, Part Description="General Purpose Thick Film Chip Resistor", Part Number=R0402_1K_1%_0.0625W_100PPM, Pin Count=2, PressFit=No, Sense=No, SMD=Yes, Socket=No, Status="Not Recommended", TC=±100ppm/°C
NT1 NT2: Author="CERN DEM JLC", Component Type="Net Tie", ComponentHeight=0mm, CreateDate=22.03.2011, Family="Net Tie", HelpURL=Undefined, LatestRevisionDate=22.03.2011, Mounted=No, PackageDescription="2 Plated Through Hole For Coaxial Cable Link: Hole Dia.=1.4mm Pad Dia.=2.5mm", Part Description="Net Tie (2 Nets)", Part Number="Net Tie", Pin Count=2, Sense=No, SMD=No, Socket=No, Status=None